# Altium PCB 主板_V1.0.PcbDoc (part 1 of 2) (continued)
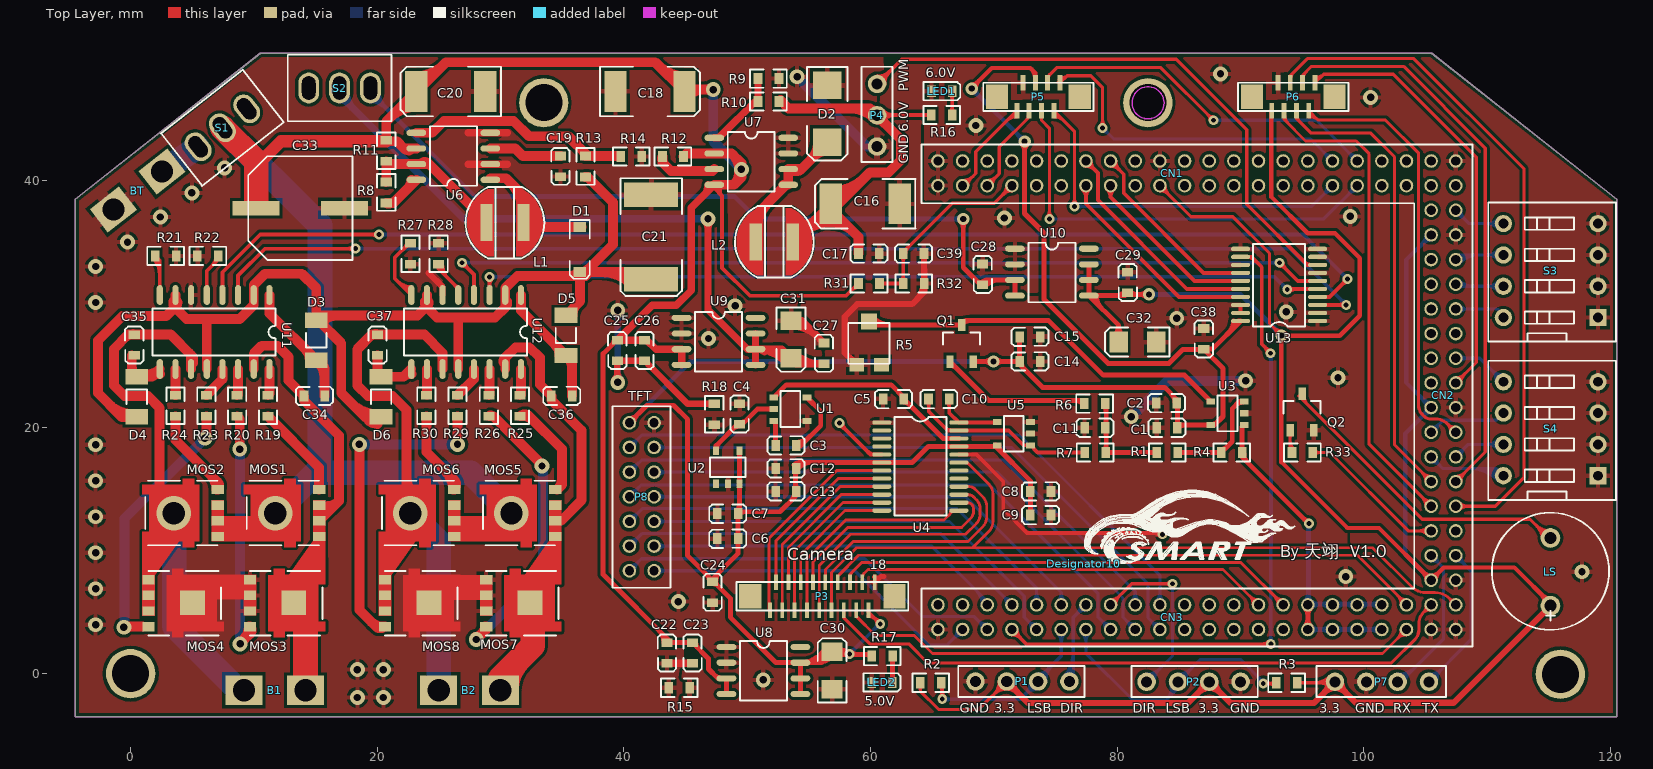
[diagram p0: Top Layer view]
## Nets (pads, with @x,y where several pads share a name; then routed paths per layer and width w, separated by ;. In a path a pad name is that pad's centre, name@x,y a point inside that pad or via, vN(x,y) a via of type N, cw(c..) or ccw(c..) an arc to the next point about the centre after c; other vN are vias at no path point)
3.3V: C29.2 C32.A CN1.19 CN2.7 CN2.21 CN2.35 LS.A P1.2 P2.2 P6.8 P7.4 R2.2 R3.2 U10.5 U10.6 U10.7 | length 246.3
  Top Layer w0.254: R2.2@63.887,-0.995 cw(c63.506,-1.376) 64.044,-1.376 cw(c64.583,-1.376) R2.2@64.202,-0.995 ; R2.2@64.044,-0.737 64.044,-1.423 65.518,-2.896 68.794,-2.896 P1.2@71.055,-0.636 ; P1.2@70.432,-0.636 cw(c68.928,-0.636) 69.991,-1.699 cw(c71.055,-2.763) P1.2@71.055,-1.259 ; P1.2@70.686,-0.636 cw(c69.795,-0.636) 70.425,-1.266 cw(c71.055,-1.896) P1.2@71.055,-1.005 ; CN1.19@83.472,39.156 cw(c83.472,38.135) 84.194,38.857 cw(c84.916,39.579) CN1.19@83.895,39.579 ; CN1.19@83.472,39.579 85.993,37.058 89.394,37.058 92.365,34.086 92.365,28.396 v3(93.331,27.431) ; v3@92.958,27.431 ccw(c92.057,27.431) 92.694,28.068 ccw(c93.331,28.705) v3@93.331,27.804 ; R3.2@94.601,-0.738 97.598,-0.738 P7.4@97.674,-0.661 ; R3.2@94.758,-0.895 cw(c95.139,-1.276) 95.139,-0.738 cw(c95.139,-0.199) R3.2@94.758,-0.58 ; 95.985,-0.738 ccw(c95.985,1.027) P7.4@97.234,-0.221 ; 96.355,-0.738 cw(c96.355,-1.981) P7.4@97.234,-1.102 ; 96.599,-0.738 ccw(c96.599,0.414) P7.4@97.413,-0.4
  Top Layer w0.356: P6.8@92.546,45.661 92.515,45.631 92.515,38.66 95.464,35.712 97.674,35.712 99.681,33.705 99.681,29.031 98.055,27.406 v3@93.432,27.406 ; v3@93.103,27.203 cw(c92.553,26.653) 93.331,26.653 cw(c94.108,26.653) 93.558,27.203 cw(c94.047,26.715) 94.047,27.406 ; v3(93.331,27.431) 93.331,17.159 98.68,11.81 101.241,11.81 CN2.35@105.472,7.579 106.503,8.61 112.228,8.61 LS.A@115.245,5.593 ; v3@93.558,27.659 ccw(c94.17,28.27) 94.17,27.406 ; CN2.35@105.1,7.579 ccw(c104.201,7.579) 104.836,8.214 ccw(c105.472,8.85) 105.472,7.951 ccw(c105.472,8.85) 106.107,8.214 ccw(c106.743,7.579) CN2.35@105.844,7.579 ; 114.426,6.412 cw(c113.236,5.495) LS.A@114.656,5.004 ; 114.605,6.299 ccw(c115.667,7.361) LS.A@115.667,5.859
  Top Layer w0.4: U10.7@77.715,33.197 U10.6@77.715,31.927 U10.5@77.715,30.657 ; U10.5@77.915,30.657 ccw(c78.398,30.657) 78.057,30.316 ; U10.5@78.315,30.657 ccw(c79.764,30.657) 78.739,29.633 ; C32.A@79.751,27.404 ccw(c78.974,28.25) 80.123,28.25 ; 79.845,30.657 ccw(c79.845,31.8) C29.2@80.653,30.992 ; C32.A@80.123,26.822 80.123,28.25 ; C32.A@80.494,27.404 cw(c81.271,28.25) 80.123,28.25 ; C29.2@81.065,30.992 ccw(c81.628,31.554) 81.628,30.759 ; v3@82.374,30.547 ccw(c81.862,30.034) 81.862,30.759 ccw(c81.862,31.483) v3@82.374,30.971 ; v3(82.586,30.759) 80.986,30.759 C29.2@80.859,30.886 80.631,30.657 U10.5@77.715,30.657 ; U10.5@77.715,30.657 80.123,28.25
  Top Layer w0.5: P1.2@71.055,-1.136 cw(c71.055,-2.343) 71.908,-1.489 cw(c72.762,-0.636) P1.2@71.555,-0.636 ; P1.2@71.055,-0.636 72.807,-2.388 85.75,-2.388 P2.2@87.478,-0.661 89.205,-2.388 95.947,-2.388 P7.4@97.598,-0.738 ; P2.2@86.978,-0.661 cw(c85.77,-0.661) 86.624,-1.515 cw(c87.478,-2.368) 87.478,-1.161 cw(c87.478,-2.368) 88.331,-1.515 cw(c89.185,-0.661) P2.2@87.978,-0.661 ; P7.4@97.174,-0.661 cw(c95.967,-0.661) 96.82,-1.515 cw(c97.674,-2.368) 97.674,-1.161 cw(c97.674,-2.368) 98.528,-1.515 cw(c99.381,-0.661) P7.4@98.174,-0.661 ; P7.4@97.674,-0.661 99.376,-2.363 107.289,-2.363 LS.A@115.245,5.593
  Bottom Layer w0.356: CN2.35@105.1,7.579 ccw(c104.201,7.579) 104.836,8.214 ccw(c105.472,8.85) CN2.35@105.472,7.951 ; CN2.7@105.1,35.579 cw(c104.201,35.579) 104.836,34.944 cw(c105.472,34.308) CN2.7@105.472,35.207 ; CN2.35@105.472,7.579 103.364,9.687 103.364,19.471 CN2.21@105.472,21.579 103.44,23.611 103.44,33.547 CN2.7@105.472,35.579 ; CN2.21@105.472,21.207 ccw(c105.472,20.308) 104.836,20.944 ccw(c104.201,21.579) 105.1,21.579 ccw(c104.201,21.579) 104.836,22.214 ccw(c105.472,22.85) CN2.21@105.472,21.951
  Bottom Layer w0.4: v3(82.586,30.759) 90.003,30.759 v3(93.331,27.431) ; v3@82.799,30.547 cw(c83.311,30.034) 83.311,30.759 cw(c83.311,31.483) v3@82.799,30.971 ; v3@93.031,27.431 ccw(c92.306,27.431) 92.819,27.943 ccw(c93.331,28.456) v3@93.331,27.731
5.00V: C28.2 S2.3 U10.3 U10.4 | length 70.4
  Top Layer w0.4: v3@67.312,36.668 cw(c66.8,36.156) 67.524,36.156 cw(c68.248,36.156) v3@67.736,36.668 ; v3(67.524,36.88) 67.524,32.943 69.01,31.457 69.48,31.927 ; 68.61,31.857 ccw(c68.999,32.246) C28.2@68.999,31.696 ; C28.2@69.022,31.723 cw(c69.516,31.229) 69.516,31.927 ; C28.2@69.305,31.44 cw(c70.481,30.264) 70.481,31.927 ; C28.2@69.348,31.56 cw(c69.803,31.604) 69.48,31.927 ; U10.4@71.715,30.657 U10.3@71.715,31.927 69.48,31.927
  Bottom Layer w0.4: S2.3@19.315,47.523 19.315,47.269 27.875,38.709 48.957,38.709 50.786,36.88 v3(67.524,36.88) ; S2.3@19.442,46.448 cw(c19.442,44.773) 20.626,45.957 ; S2.3@20.092,47.098 ccw(c21.555,47.098) 20.52,46.063 ; v3@67.312,36.668 ccw(c66.8,36.156) 66.8,36.88 ccw(c66.8,37.604) v3@67.312,37.092
5.0V: C1.1 C2.1 C6.1 C7.1 C8.1 C9.1 C12.2 C13.2 C14.1 C15.1 C24.2 C30.A C38.2 P3.17 P5.5 P8.1 Q1.2 R17.2 U2.3 U2.4 U3.5 U4.6 U4.21 U5.5 U8.5 U8.6 U8.7 U13.20 | length 244.9
  Top Layer w0.3: P3.17@59.844,4.987 P3.17@59.844,5.148
  Top Layer w0.305: P3.17@59.844,4.675 cw(c59.844,3.924) 60.376,4.455 ; P3.17@59.844,4.98 cw(c59.844,4.964) P3.17@59.856,4.976 ; P3.17@59.844,4.987 v2(60.793,4.038) ; v2@60.546,4.038 ccw(c59.948,4.038) 60.371,4.461 ccw(c60.793,4.883) v2@60.793,4.285
  Top Layer w0.356: v3@68.185,47.472 69.836,49.123 72.96,49.123 73.37,48.712 P5.5@73.37,47.911 ; v3@68.21,47.769 ccw(c68.21,48.424) 68.673,47.961 ; v3@68.532,47.446 cw(c69.433,47.446) 68.796,48.083 ; 73.066,49.017 cw(c72.386,48.336) P5.5@73.348,48.336
  Top Layer w0.4: P8.1@40.448,20.345 41.87,21.767 44.029,21.767 45.172,20.624 45.172,9.575 C24.2@47.128,7.619 ; P8.1@40.448,20.695 ccw(c40.448,21.54) 41.045,20.942 ccw(c41.643,20.345) P8.1@40.798,20.345 ; 46.706,8.042 cw(c46.105,7.441) C24.2@46.954,7.441 ; C24.2@47.304,7.291 cw(c47.304,6.925) C24.2@47.563,7.184 ; C24.2@47.559,7.188 cw(c47.813,7.441) 47.454,7.441 cw(c48.671,7.441) 47.811,8.302 ; C6.1@49.156,10.741 cw(c48.9,10.485) 49.262,10.485 cw(c49.624,10.485) C6.1@49.368,10.741 ; C6.1@49.156,11.153 ccw(c48.9,11.409) 49.262,11.409 ccw(c49.624,11.409) C6.1@49.368,11.153 ; C7.1@49.156,12.773 cw(c48.9,12.517) 49.262,12.517 cw(c49.624,12.517) C7.1@49.368,12.773 ; C7.1@49.156,13.185 ccw(c48.605,13.735) 49.384,13.735 ; C7.1@49.368,12.973 cw(c49.75,12.59) 49.75,13.131 ; U2.4@49.384,18.092 U2.3@49.384,15.392 49.384,13.101 C7.1@49.262,12.979 ; 53.567,14.033 ccw(c52.918,14.682) C13.2@53.836,14.682 ; C12.2@53.809,16.921 cw(c54.289,16.442) 54.289,17.12 ; 53.935,15.367 ccw(c54.471,15.367) C13.2@54.092,14.988 ; 53.935,16.06 cw(c54.471,16.06) C12.2@54.092,16.439 ; C12.2@53.986,16.895 ccw(c53.986,17.498) 54.413,17.071 ; C12.2@54.092,16.639 cw(c55.255,15.476) 55.255,17.12 ; U8.5@54.322,-1.652 U8.6@54.322,-0.382 U8.7@54.322,0.888 ; U8.7@55.01,0.889 ccw(c55.01,2.793) C30.A@56.665,1.852 ; 55.697,0.889 ccw(c55.697,2.402) C30.A@57.012,1.654 ; 56.094,0.938 cw(c56.794,0.238) C30.A@56.794,1.229 ; C30.A@56.26,1.651 cw(c55.47,1.463) 56.044,0.889 ; C30.A@56.317,2.05 cw(c54.322,3.184) U8.7@54.322,0.888 ; C30.A@57.103,1.884 ccw(c57.912,2.692) v2@57.912,1.549 ; C30.A@57.386,1.39 cw(c57.77,1.005) 57.77,1.549 ; C30.A@57.386,2.166 ccw(c58.877,3.658) 58.877,1.549 ; C30.A@57.592,1.634 ccw(c57.765,2.279) v2@58.18,1.756 ; C30.A@57.699,1.549 ccw(c57.699,2.205) v2@58.163,1.741 ; 57.854,1.89 cw(c57.571,1.411) v2@58.11,1.55 ; 57.944,1.837 ccw(c58.152,2.189) v2@58.254,1.793 ; v2@58.443,1.456 cw(c58.719,1.17) 58.774,1.563 ; v2@58.445,1.741 ccw(c58.91,2.205) 58.91,1.549 ; v2@58.464,1.72 ccw(c58.768,1.948) 58.715,1.572 ; 59.671,1.549 cw(c59.671,1.097) R17.2@59.99,1.416 ; R17.2@60.096,1.549 56.704,1.549 56.044,0.889 ; Q1.2@68.347,25.295 68.376,25.323 v3(69.977,25.323) C14.1@72.096,25.323 ; Q1.2@68.418,25.224 cw(c68.657,24.985) 68.657,25.323 ; v3@69.765,25.111 ccw(c69.253,24.599) 69.253,25.323 ccw(c69.253,26.047) v3@69.765,25.535 ; 69.82,18.42 ccw(c69.82,18.87) U5.5@70.139,18.552 ; v3@70.189,25.111 cw(c70.701,24.599) 70.701,25.323 cw(c70.701,26.047) v3@70.189,25.535 ; U5.5@70.424,18.517 ccw(c71.252,18.517) 70.667,17.931 ; C14.1@71.99,25.217 ccw(c71.734,24.961) 71.734,25.323 ccw(c71.734,25.685) C14.1@71.99,25.429 ; C14.1@71.99,25.529 ccw(c71.734,25.785) 72.096,25.785 ccw(c72.458,25.785) C14.1@72.202,25.529 ; C15.1@71.99,27.113 cw(c71.734,26.857) 72.096,26.857 cw(c72.458,26.857) C15.1@72.202,27.113 ; C15.1@72.096,27.319 C14.1@72.096,25.323 ; C14.1@72.246,25.223 ccw(c72.98,25.223) 72.461,24.704 ; v3@72.291,42.942 cw(c71.778,42.43) 72.503,42.43 cw(c73.227,42.43) v3@72.715,42.942 ; v3(72.503,43.154) 72.503,42.003 72.493,41.994 72.493,37.321 74.077,35.737 74.077,30.352 79.259,25.171 84.212,25.171 85.33,26.289 C38.2@87.031,26.289 ; C9.1@72.857,13.062 ccw(c72.601,13.318) 72.963,13.318 ccw(c73.325,13.318) C9.1@73.069,13.062 ; C8.1@72.857,14.571 cw(c72.601,14.315) 72.963,14.315 cw(c73.325,14.315) C8.1@73.069,14.571 ; C8.1@72.857,14.983 ccw(c72.601,15.239) 72.963,15.239 ccw(c73.325,15.239) C8.1@73.069,14.983 ; C9.1@72.963,12.856 C8.1@72.963,14.777 72.963,15.635 70.178,18.42 64.685,18.42 63.385,17.12 54.462,17.12 53.935,16.594 53.935,14.401 52.665,13.131 49.414,13.131 C7.1@49.262,12.979 ; 84.464,22.607 cw(c83.902,22.045) C2.1@84.697,22.045 ; C2.1@84.741,21.739 cw(c84.389,21.387) 84.887,21.387 ; C1.1@84.781,20.149 ccw(c84.525,20.405) 84.887,20.405 ccw(c85.249,20.405) C1.1@84.993,20.149 ; C1.1@84.887,19.943 84.887,21.905 C2.1@84.847,21.945 84.847,22.224 83.856,23.215 73.95,23.215 72.096,25.069 C14.1@72.096,25.323 ; C1.1@84.993,19.937 cw(c85.547,19.383) 85.547,20.167 ; C1.1@85.11,20.167 U3.5@87.608,20.167 87.895,20.167 88.587,20.859 88.587,24.758 C38.2@87.031,26.314 87.729,26.314 U13.20@90.016,28.6 ; 86.51,26.289 ccw(c86.51,26.735) C38.2@86.825,26.42 ; C38.2@87.237,26.208 cw(c87.494,25.952) 87.494,26.314 cw(c87.494,26.676) C38.2@87.237,26.42 ; C38.2@87.281,26.314 ccw(c87.885,26.314) 87.458,25.887 ; U3.5@87.708,20.217 ccw(c87.708,20.789) 88.113,20.384 ; 89.034,27.619 ccw(c88.053,28.6) U13.20@89.441,28.6 ; 89.717,28.302 ccw(c89.419,28.6) U13.20@89.841,28.6 ; C24.2@47.128,7.619 49.262,9.753 C6.1@49.262,10.947 C7.1@49.262,12.979 ; C24.2@47.128,7.619 48.641,6.106 48.641,4.582 52.334,0.889 U8.7@54.322,0.888 ; U8.7@54.322,0.888 56.044,0.889
  Bottom Layer w0.3: v2(60.793,4.038) v2@60.793,4.089
  Bottom Layer w0.305: v2(58.304,1.599) v2@60.793,4.089 ; v2@58.304,1.847 ccw(c58.304,2.445) 58.727,2.022 ccw(c59.149,1.599) v2@58.552,1.599 ; 60.284,3.579 cw(c60.793,3.07) v2@60.793,3.79 ; 60.406,3.702 ccw(c60.071,4.038) v2@60.546,4.038
  Bottom Layer w0.356: v3@68.21,47.124 cw(c68.21,46.346) 68.76,46.896 cw(c69.31,47.446) v3@68.532,47.446 ; v3(68.21,47.446) v3(72.503,43.154) ; v3@72.18,43.154 ccw(c71.403,43.154) 71.953,43.704 ccw(c72.503,44.254) v3@72.503,43.476
  Bottom Layer w0.4: P8.1@40.448,20.345 45.426,25.323 v3(69.977,25.323) ; P8.1@40.448,20.695 ccw(c40.448,21.54) 41.045,20.942 ccw(c41.643,20.345) P8.1@40.798,20.345 ; v3@69.765,25.111 ccw(c69.253,24.599) 69.253,25.323 ccw(c69.253,26.047) v3@69.765,25.535
5V: C27.2 C31.A S2.2 U9.5 U9.6 U9.7 | length 67.7
  Top Layer w0.6: v1@46.611,36.668 cw(c46.099,36.156) 46.823,36.156 cw(c47.547,36.156) v1@47.035,36.668 ; v1(46.823,36.88) 46.823,29.514 50.023,26.314 U9.6@50.679,26.314 ; U9.5@50.679,25.044 U9.6@50.679,26.314 ; U9.7@50.679,27.584 U9.6@50.679,26.314 ; U9.6@50.679,26.314 cw(c50.679,22.928) C31.A@53.128,25.267 ; U9.6@51.185,26.289 ccw(c51.502,26.472) 51.407,26.119 ; 52.081,26.314 cw(c52.081,24.268) C31.A@53.562,25.681 ; C31.A@53.549,25.471 ccw(c54.335,26.256) C31.A@54.335,25.145 ; C31.A@53.974,25.895 ccw(c55.783,27.705) C27.2@55.783,25.145 ; C27.2@56.221,25.145 53.986,25.145 C31.A@53.554,25.577 52.817,26.314 U9.6@50.679,26.314
  Bottom Layer w0.6: S2.2@16.815,47.523 16.815,47.066 27.001,36.88 v1(46.823,36.88) ; S2.2@16.942,46.548 cw(c16.942,45.604) 17.61,46.271 ; S2.2@17.492,47.098 ccw(c19.203,47.098) 17.993,45.888 ; v1@46.611,36.668 ccw(c46.099,36.156) 46.099,36.88 ccw(c46.099,37.604) v1@46.611,37.092
6.0V: C16.A C17.1 L2.2 P4.2 R10.1 R16.2 | length 55.5
  Top Layer w0.305: P4.2@60.565,45.313 R16.2@64.922,45.313 ; P4.2@60.746,45.08 cw(c61.307,44.519) 61.307,45.313 ; P4.2@60.962,44.865 cw(c62.043,43.783) 62.043,45.313 ; P4.2@60.962,45.71 ccw(c61.921,46.669) 61.921,45.313 ; R16.2@64.782,45.173 ccw(c64.445,44.836) 64.445,45.313 ccw(c64.445,45.79) R16.2@64.782,45.453
  Top Layer w0.8: R10.1@52.692,46.52 53.365,45.847 59.944,45.847 ; L2.2@53.641,34.884 C16.A@56.602,37.845 ; L2.2@53.708,35.326 ccw(c53.708,36.231) 54.348,35.591 ; L2.2@53.708,36.126 ccw(c53.708,38.962) 55.714,36.957 ; 54.377,35.62 cw(c56.729,33.267) 56.729,36.594 cw(c56.729,33.881) 58.648,35.799 ; 55.743,36.986 cw(c56.729,35.999) C16.A@56.729,37.394 ; C16.A@56.729,38.296 ccw(c56.729,40.399) 58.216,38.912 ; C16.A@56.729,39.096 ccw(c56.729,43.131) 59.582,40.278 ; 58.343,45.847 cw(c58.343,43.092) P4.2@60.292,45.04 ; C17.1@59.03,34.061 59.03,35.418 C16.A@56.602,37.845 ; 59.967,45.824 cw(c59.43,45.287) P4.2@60.189,45.287 ; P4.2@60.513,45.636 cw(c60.457,46.36) 59.944,45.847 ; P4.2@60.539,44.937 cw(c60.539,44.179) 61.076,44.715 ; P4.2@60.889,45.287 ccw(c61.82,45.287) 61.162,44.629 ; C16.A@56.602,37.845 57.149,37.845 59.944,40.64 61.468,40.64 62.484,41.656 62.484,43.307 59.944,45.847
7.2V: C18.A C20.A C22.2 C23.2 C25.2 C26.2 C33.A MOS1.D MOS2.S MOS5.D MOS6.S R11.1 R12.2 R31.2 S1.2 U6.6 U7.2 U7.4 U8.3 U8.4 U9.3 U9.4 | length 218.5
  Top Layer w0.305: U7.4@47.331,39.649 47.331,39.369 47.966,38.734 ; U7.4@47.73,39.79 ccw(c48.167,39.381) 47.744,38.957 ; U7.4@47.952,39.582 ccw(c48.397,39.165) 47.966,38.734 ; 58.521,31.14 cw(c59.029,30.632) R31.2@59.029,31.351 ; R31.2@59.029,31.648 58.038,30.657 50.201,30.657 47.966,32.892 47.966,38.734
  Top Layer w0.4: C25.2@39.09,26.734 ccw(c38.774,27.051) C25.2@39.222,27.051 ; C25.2@39.472,27.051 39.407,27.051 38.314,25.958 38.314,8.041 43.846,2.509 C23.2@45.575,2.509 46.863,1.221 46.863,0.381 47.626,-0.382 U8.3@48.322,-0.382 U8.4@48.322,-1.652 ; 42.815,3.54 cw(c41.784,2.509) C22.2@43.242,2.509 ; C22.2@43.498,2.857 cw(c43.149,2.509) C22.2@43.642,2.509 ; C22.2@43.698,2.403 cw(c43.954,2.147) 43.954,2.509 cw(c43.954,2.871) C22.2@43.698,2.615 ; C23.2@45.369,2.403 ccw(c45.113,2.147) 45.113,2.509 ccw(c45.113,2.871) C23.2@45.369,2.615 ; C23.2@45.825,2.509 ccw(c46.428,2.509) 46.002,2.082 ; 47.437,-0.193 ccw(c47.772,0.142) U8.3@47.772,-0.332
  Top Layer w0.6: U9.4@44.679,25.044 U9.3@44.679,26.314 42.606,26.314 41.87,27.051 C26.2@41.681,27.051 C25.2@39.472,27.051 42.29,29.87 44.258,29.87 45.466,31.078 45.466,37.783 U7.4@47.331,39.649 ; 46.478,38.795 ccw(c45.624,39.649) U7.4@46.831,39.649
  Top Layer w0.8: 21.029,45.082 cw(c23.165,42.947) C20.A@23.165,45.967 ; 22.116,42.654 ccw(c22.62,43.158) U6.6@22.62,42.445 ; U6.6@22.647,42.447 cw(c22.552,42.972) 22.175,42.595 ; C20.A@23.165,47.218 20.726,44.779 R11.1@20.726,43.256 20.803,43.18 21.59,43.18 22.175,42.595 ; C20.A@23.165,48.469 ccw(c23.165,51.612) 25.387,49.389 ; U6.6@23.17,42.595 22.175,42.595 ; C20.A@23.19,47.192 25.586,49.588 42.548,49.588 C18.A@44.918,47.218 ; 42.783,49.353 ccw(c44.918,51.489) C18.A@44.918,48.469 ; R12.2@44.831,41.935 45.084,42.189 U7.2@47.331,42.189 48.743,42.189 49.53,41.402 v1(49.53,40.894) 49.53,40.259 48.92,39.649 ; C18.A@44.831,47.131 C18.A@44.918,47.218 ; C18.A@45.273,46.863 cw(c46.499,45.637) 46.499,47.371 ; v1(47.244,47.371) 45.071,47.371 C18.A@44.918,47.218 ; U7.4@47.331,39.649 48.92,39.649 ; 48.829,42.103 cw(c47.621,40.894) v1@49.33,40.894 ; v1@49.332,40.867 cw(c47.894,40.675) 48.92,39.649
  Top Layer w1: 10.586,41.574 12.192,43.18 R11.1@20.726,43.18
  Top Layer w2: S1.2@7.442,44.272 10.171,41.543 C33.A@10.171,38.227
  Bottom Layer w0.8: v1(47.244,47.371) 47.244,43.18 v1(49.53,40.894)
  Bottom Layer w2: S1.2@7.442,44.272 15.353,36.362 15.353,16.56 ; v4(11.722,13.005) 15.023,16.306 27.572,16.306 v4(30.874,13.005)
14.0V: C21.A D1.K D3.A D4.A D5.A D6.A R13.1 U11.2 U11.7 U11.12 U12.2 U12.7 U12.12 | length 117.2
  Top Layer w0.8: -1.762,21.863 ccw(c0.194,23.819) D4.A@0.194,21.053 ; D4.A@0.494,20.828 -0.727,20.828 -2.656,22.758 -2.656,27.025 -0.675,29.006 2.881,29.006 3.632,29.757 ; U11.7@3.482,30.159 ccw(c4.343,30.159) 3.734,29.55 ; U11.7@3.488,30.198 ccw(c4.03,30.05) 3.632,29.652 ; 3.604,29.729 ccw(c3.175,30.159) U11.7@3.782,30.159 ; U11.7@3.632,30.709 3.632,29.757 ; U11.7@3.782,30.173 cw(c3.266,30.123) 3.632,29.757 ; U11.12@6.172,24.709 6.172,28.741 ; D3.A@15.507,28.516 cw(c16.811,27.212) 16.811,29.056 ; D3.A@15.573,28.675 ccw(c16.469,28.675) 15.835,28.041 ; 17.92,21.917 ccw(c20.006,24.003) D6.A@20.006,21.053 ; 19.286,20.552 ccw(c20.006,21.271) D6.A@20.006,20.253 ; D6.A@20.306,20.828 19.009,20.828 17.08,22.758 17.08,26.796 15.201,28.675 D3.A@15.048,28.675 ; U12.7@23.878,30.159 ccw(c24.616,30.159) 24.095,29.637 ; U12.7@23.881,30.188 ccw(c24.408,30.083) 24.028,29.703 ; U12.7@24.028,30.709 24.028,29.833 ; 24.054,29.859 ccw(c23.755,30.159) U12.7@24.178,30.159 ; U12.12@26.568,24.709 26.568,28.817 ; 30.315,29.642 ccw(c29.798,30.159) U12.2@30.528,30.159 ; U12.2@30.526,30.187 cw(c29.999,30.085) 30.378,29.706 ; D5.A@35.302,29.056 36.449,30.202 36.449,32.131 39.116,34.798 39.116,38.227 37.059,40.284 R13.1@36.881,40.284 ; 35.588,32.258 ccw(c35.588,33.299) D1.K@36.324,32.563 ; D5.A@35.827,29.056 cw(c37.095,29.056) 36.198,29.952 ; D1.K@36.524,32.563 ccw(c36.524,33.425) 37.133,32.815 ; 37.135,32.512 36.881,32.258 31.369,32.258 30.378,31.267 U12.2@30.378,30.709 30.378,29.706 ; 37.135,32.562 41.454,32.562 C21.A@42.215,31.801 ; 38.187,32.562 cw(c38.187,29.144) C21.A@40.603,31.561 ; C21.A@40.118,32.562 cw(c40.118,31.075) C21.A@41.169,32.127 ; 3.632,29.652 4.532,28.752 8.85,28.752 9.982,29.884 U11.2@9.982,30.709 9.982,31.535 10.882,32.435 13.879,32.435 15.048,31.267 D3.A@15.048,28.675 ; 3.632,29.652 3.632,29.757 ; D3.A@15.048,28.675 15.429,29.056 23.251,29.056 24.028,29.833 ; 24.028,29.703 24.852,28.879 29.551,28.879 30.378,29.706 ; 24.028,29.703 24.028,29.833
-2.5V: C5.1 U1.1 U4.22 | length 18.4
  Top Layer w0.4: U1.1@52.157,22.402 53.173,23.418 61.682,23.418 C5.1@62.762,22.339 ; U1.1@52.307,22.402 cw(c52.669,22.402) 52.413,22.658 ; C5.1@62.423,22.677 cw(c62.121,22.375) C5.1@62.548,22.375 ; C5.1@62.571,22.148 62.825,22.148 65.899,19.074 U4.22@67.17,19.074 ; C5.1@62.698,22.025 cw(c62.698,21.422) 63.125,21.848
ADC_1: CN1.5 P5.6 | length 9.4
  Top Layer w0.254: CN1.5@69.472,39.579 70.445,40.552 70.445,42.722 72.87,45.147 P5.6@72.87,45.661 ; CN1.5@69.472,40.002 ccw(c69.472,41.023) 70.194,40.301 ccw(c70.916,39.579) CN1.5@69.895,39.579 ; 72.683,44.96 ccw(c72.406,45.236) P5.6@72.797,45.236
ADC_2: CN1.3 P5.8 | length 11.4
  Top Layer w0.254: CN1.3@67.472,39.579 67.556,39.579 68.54,40.563 68.54,42.331 P5.8@71.87,45.661 ; CN1.3@67.472,39.748 ccw(c67.472,40.36) 67.904,39.927 ; CN1.3@67.472,40.002 ccw(c67.472,41.227) 68.338,40.361 ; CN1.3@67.895,39.579 cw(c68.712,39.579) 68.134,40.157 ; 71.02,44.811 cw(c71.87,43.961) P5.8@71.87,45.163 ; 71.454,45.245 cw(c71.87,44.828) P5.8@71.87,45.417
AGND: C1.2 C2.2 C4.2 C5.2 C6.2 C7.2 C8.2 C9.2 C11.2 C12.1 C13.1 C14.2 C15.2 C39.2 R5.1 R18.1 R32.1 U1.4 U2.2 U3.2 U4.1 U5.2 U5.3 | length 27.6
  Top Layer w0.508: 58.298,25.651 cw(c57.707,25.06) R5.1@58.542,25.06 ; R5.1@58.418,25.53 ccw(c58.838,25.95) R5.1@58.838,25.356 ; R5.1@58.888,25.06 57.912,26.037 57.912,28.956 58.928,29.972 63.373,29.972 64.364,30.963 R32.1@64.364,31.648 C39.2@64.338,34.061 ; 63.785,30.384 ccw(c62.622,31.548) R32.1@64.268,31.548
  Bottom Layer w0.8: v1(81.153,20.828) 84.074,23.749 v1(90.424,23.749)
B20: CN2.29 P6.6 | length 41.7
  Top Layer w0.254: P6.6@93.546,45.661 93.546,44.945 95.286,43.205 99.39,43.205 100.443,42.153 100.443,18.608 CN2.29@105.472,13.579 ; P6.6@93.619,45.236 ccw(c94.497,45.236) 93.876,44.615 ; CN2.29@105.049,13.579 ccw(c104.028,13.579) 104.75,14.301 ccw(c105.472,15.023) CN2.29@105.472,14.002
B21: CN2.30 P6.5 | length 57.4
  Top Layer w0.254: P6.5@94.046,47.911 94.046,48.492 95.439,49.885 104.075,49.885 112.99,40.969 112.99,15.9 110.67,13.579 CN2.30@107.472,13.579 ; P6.5@94.119,48.336 cw(c94.671,48.336) 94.281,48.727 ; CN2.30@107.771,13.28 cw(c108.493,12.558) 108.493,13.579 cw(c108.493,14.6) CN2.30@107.771,13.878
B22: CN2.27 P6.4 | length 39.6
  Top Layer w0.254: P6.4@94.546,45.661 94.546,45.037 95.744,43.84 100.57,43.84 102.5,41.909 102.5,18.551 CN2.27@105.472,15.579 ; P6.4@94.619,45.236 ccw(c95.275,45.236) 94.811,44.772 ; CN2.27@105.049,15.579 ccw(c104.028,15.579) 104.75,16.301 ccw(c105.472,17.023) CN2.27@105.472,16.002
B23: CN2.28 P6.3 | length 48.6
  Top Layer w0.254: P6.3@95.046,47.911 95.046,48.527 95.769,49.25 103.237,49.25 109.866,42.62 109.866,17.973 CN2.28@107.472,15.579 ; P6.3@95.119,48.336 cw(c95.755,48.336) 95.305,48.786 ; CN2.28@107.472,16.002 ccw(c107.472,17.023) 108.194,16.301 ccw(c108.916,15.579) CN2.28@107.895,15.579
B_ADC: C39.1 CN1.7 R31.1 R32.2 | length 20.8
  Top Layer w0.305: R31.1@60.731,31.648 R32.2@62.662,31.648 62.662,33.68 62.662,34.177 66.635,38.15 70.043,38.15 CN1.7@71.472,39.579 ; R31.1@60.871,31.509 cw(c61.208,31.171) 61.208,31.648 cw(c61.208,32.125) R31.1@60.871,31.788 ; R32.2@62.522,31.509 ccw(c62.185,31.171) 62.185,31.648 ccw(c62.185,32.125) R32.2@62.522,31.788 ; R32.2@62.522,31.888 ccw(c62.184,32.226) 62.662,32.226 ; C39.1@62.522,33.822 cw(c62.185,33.484) 62.662,33.484 cw(c63.139,33.484) C39.1@62.802,33.822 ; 62.662,32.225 ccw(c63.139,32.225) R32.2@62.802,31.888 ; C39.1@62.662,34.359 ccw(c62.662,34.799) C39.1@62.973,34.488 ; C39.1@62.86,34.161 cw(c63.374,34.161) 63.01,34.525 ; CN1.7@71.074,39.579 cw(c70.114,39.579) 70.793,38.9 cw(c71.472,38.222) CN1.7@71.472,39.181
C3: CN2.24 P6.2 | length 37.7
  Top Layer w0.254: P6.2@95.493,45.668 cw(c95.503,45.584) P6.2@95.563,45.644 ; P6.2@95.524,45.416 cw(c95.584,44.927) 95.932,45.275 ; P6.2@95.546,45.661 96.3,44.906 ; P6.2@95.555,45.164 cw(c95.664,44.27) 96.3,44.907 ; 104.774,20.991 cw(c105.546,21.761) 104.456,21.761 104.456,42.214 101.763,44.906 96.3,44.906 ; 104.775,20.991 104.909,20.857 ccw(c105.41,21.359) 105.41,20.649 105.864,20.649 cw(c105.864,19.351) 106.782,20.269 ; CN2.24@107.049,19.593 ccw(c106.135,19.623) 106.782,20.269 ; CN2.24@107.458,20.002 cw(c107.428,20.916) 106.782,20.269 ; CN2.24@107.472,19.579 106.782,20.269
C4: CN2.20 P6.1 | length 38.1
  Top Layer w0.254: P6.1@95.959,47.91 ccw(c95.986,48.042) P6.1@96.081,47.947 ; P6.1@96.01,48.159 ccw(c96.099,48.597) 96.416,48.281 ; P6.1@96.046,47.911 96.75,48.615 ; P6.1@96.06,48.408 ccw(c96.212,49.152) 96.75,48.615 ; CN2.20@107.472,23.579 109.129,25.237 109.129,41.884 102.398,48.615 96.75,48.615 ; CN2.20@107.472,24.002 ccw(c107.472,25.023) 108.194,24.301 ccw(c108.916,23.579) CN2.20@107.895,23.579
D4: CN1.36 P5.3 | length 33
  Top Layer w0.254: P5.3@74.37,47.911 74.37,48.425 75.093,49.148 83.552,49.148 v2(87.819,44.881) ; P5.3@74.443,48.336 cw(c74.834,48.336) 74.558,48.613 ; v2@87.546,44.881 ccw(c86.887,44.881) 87.353,45.347 ccw(c87.819,45.813) v2@87.819,45.154
  Bottom Layer w0.254: v2(87.819,44.881) 96.17,44.881 CN1.36@99.472,41.579 ; v2@88.012,44.688 cw(c88.478,44.222) 88.478,44.881 cw(c88.478,45.54) v2@88.012,45.074 ; CN1.36@99.049,41.579 ccw(c98.028,41.579) 98.75,42.301 ccw(c99.472,43.023) CN1.36@99.472,42.002
D5: CN1.35 P5.4 | length 38.8
  Top Layer w0.254: P5.4@73.87,45.661 73.87,44.885 74.509,44.246 v2(74.509,36.88) ; v2@74.316,37.073 ccw(c73.85,37.539) 74.509,37.539 ccw(c75.168,37.539) v2@74.702,37.073
  Bottom Layer w0.254: v2(74.509,36.88) 96.773,36.88 CN1.35@99.472,39.579 ; v2@74.702,36.687 cw(c75.168,36.221) 75.168,36.88 cw(c75.168,37.539) v2@74.702,37.073 ; CN1.35@99.049,39.579 cw(c98.028,39.579) 98.75,38.857 cw(c99.472,38.135) CN1.35@99.472,39.156
D6: CN1.34 P5.1 | length 32.1
  Top Layer w0.254: P5.1@75.174,47.948 ccw(c75.282,48.162) P5.1@75.452,47.992 ; P5.1@75.288,48.175 ccw(c75.449,48.491) 75.699,48.24 ; P5.1@75.37,47.911 75.947,48.488 ; P5.1@75.403,48.401 ccw(c75.615,48.82) 75.947,48.488 ; v2@78.634,44.439 ccw(c78.168,44.905) 78.827,44.905 ccw(c79.486,44.905) v2@79.02,44.439 ; v2(78.827,44.246) 78.827,47.523 77.862,48.488 75.947,48.488
  Bottom Layer w0.254: v2@78.827,43.973 cw(c78.827,43.314) 79.293,43.78 cw(c79.759,44.246) v2@79.1,44.246 ; v2(78.827,44.246) 79.716,43.357 95.694,43.357 CN1.34@97.472,41.579 ; CN1.34@97.049,41.579 ccw(c96.028,41.579) 96.75,42.301 ccw(c97.472,43.023) CN1.34@97.472,42.002
D7: CN1.33 P5.2 | length 35.2
  Top Layer w0.254: P5.2@74.87,45.163 cw(c74.87,43.961) 75.72,44.811 ; P5.2@74.87,45.417 cw(c74.87,44.828) 75.287,45.245 ; P5.2@74.87,45.661 76.541,43.99 v2(76.541,37.896) ; v2@76.348,38.089 ccw(c75.882,38.555) 76.541,38.555 ccw(c77.2,38.555) v2@76.734,38.089
  Bottom Layer w0.254: v2(76.541,37.896) 95.789,37.896 CN1.33@97.472,39.579 ; v2@76.734,37.703 cw(c77.2,37.237) 77.2,37.896 cw(c77.2,38.555) v2@76.734,38.089 ; CN1.33@97.049,39.579 cw(c96.028,39.579) 96.75,38.857 cw(c97.472,38.135) CN1.33@97.472,39.156
DB0: P3.10 U4.16 | length 20.1
  Top Layer w0.229: P3.10@56.344,7.398 56.344,8.453 58.609,10.718 67.905,10.718 69.088,11.901 ccw(c68.264,12.725) 69.429,12.725 69.429,13.589 ccw(c68.388,13.589) 69.125,14.325 68.463,14.986 ccw(c68.019,14.542) 68.019,15.17 U4.16@67.17,15.17
DB1: P3.9 U4.15 | length 21.7
  Top Layer w0.229: P3.9@55.844,5.148 55.844,8.766 58.38,11.302 67.702,11.302 68.592,12.192 ; U4.15@67.17,14.52 67.935,14.52 cw(c67.935,13.96) 68.331,14.356 68.613,14.074 ; U4.15@67.801,14.468 cw(c67.947,14.214) 68.023,14.497 ; 68.592,12.193 ccw(c67.858,12.926) 68.896,12.926 68.896,13.392 ccw(c67.932,13.392) 68.614,14.073
DB2: P3.8 U4.14 | length 18.4
  Top Layer w0.229: P3.8@55.344,7.398 55.344,9.054 58.152,11.861 67.397,11.861 68.109,12.573 ccw(c67.498,13.184) 68.362,13.184 68.362,13.346 ccw(c67.84,13.346) 68.21,13.716 ccw(c67.837,13.344) 67.837,13.87 U4.14@67.17,13.87 ; U4.14@67.801,13.818 cw(c67.903,13.639) 67.957,13.838
DB3: P3.7 U4.13 | length 17.9
  Top Layer w0.229: 54.844,5.783 54.851,5.79 54.851,9.323 57.999,12.471 65.975,12.471 66.724,13.22 U4.13@67.17,13.22 ; 66.358,12.854 ccw(c65.991,13.22) U4.13@66.51,13.22
DB4: P3.6 U4.12 | length 10.3
  Top Layer w0.229: P3.6@54.344,7.398 54.344,9.628 57.936,13.22 U4.12@60.92,13.22
DB5: P3.5 U4.11 | length 13.5
  Top Layer w0.229: P3.5@53.844,5.148 53.844,9.941 57.773,13.87 U4.11@60.92,13.87
DB6: P3.4 U4.10 | length 12.2
  Top Layer w0.229: P3.4@53.344,7.398 53.344,10.229 57.636,14.52 U4.10@60.92,14.52
DB7: P3.3 U4.9 | length 15.3
  Top Layer w0.229: P3.3@52.844,5.148 52.844,10.465 57.549,15.17 U4.9@60.92,15.17
DB8: P3.2 U4.8 | length 14
  Top Layer w0.229: P3.2@52.344,7.398 52.344,10.778 57.386,15.82 U4.8@60.92,15.82
DB9: P3.1 U4.7 | length 17.5
  Top Layer w0.254: P3.1@51.776,5.148 51.776,10.997 57.249,16.47 U4.7@60.92,16.47 ; 51.776,5.843 ccw(c52.064,5.843) P3.1@51.861,5.639
GND: C24.1 C27.1 C28.1 C29.1 C30.K C31.K C32.K C38.1 CN1.1 CN1.2 CN1.20 CN1.40 CN2.2 CN2.8 CN2.22 CN2.36 CN2.39 CN2.40 CN3.1 LED1.K LED2.K P1.1 P2.1 P3.18 P5.7 P6.7 P7.3 P8.2 Q2.2 R15.1 S3.1 S3.2 S3.3 S3.4 S4.1 S4.2 S4.3 S4.4 U4.5 U4.20 U8.1 U8.2 U9.1 U9.2 U10.1 U10.2 U13.1 U13.2 U13.7 U13.9 U13.10 U13.11 U13.13 U13.18 U13.19 | length 37.1
  Top Layer w0.305: U4.20@67.17,17.77 68.59,17.77 70.764,15.596 70.764,13.335 72.695,11.405 83.591,11.405 v2(83.693,11.303) ; 82.85,11.405 cw(c82.85,10.46) v2@83.518,11.128
  Top Layer w0.35: v2@57.48,20.095 cw(c57.48,19.613) 57.821,19.954 ; v2(57.48,20.32) 57.48,20.295 60.005,17.77 U4.5@60.92,17.77 ; v2@57.705,20.32 ccw(c58.31,20.32) 57.882,19.893 ; 59.782,17.993 ccw(c60.32,18.532) U4.5@60.32,17.77 ; U13.19@90.016,29.25 U13.18@90.016,29.9
  Top Layer w0.4: P3.18@60.315,7.832 ccw(c60.543,8.151) 60.82,7.874 ; P3.18@60.344,7.398 60.82,7.874 ; 61.087,7.874 60.82,7.874
  Top Layer w0.6: C31.K@53.554,28.625 54.418,28.625 ; C31.K@53.656,28.176 cw(c53.656,25.252) 55.723,27.319 ; C31.K@53.656,28.776 cw(c53.656,27.3) 54.699,28.344 ; C31.K@54.049,28.408 cw(c54.418,28.204) 54.418,28.625 ; C31.K@54.049,28.842 ccw(c54.418,29.046) 54.418,28.625 ; C27.1@56.221,26.822 54.418,28.625
  other v1: 51.308,-0.508 44.425,5.845 98.552,7.874 117.704,8.258 97.917,24.003 46.863,27.178 84.836,28.829 93.726,29.337 49.022,29.845 70.866,36.957 98.908,37.087 68.555,44.453 100.559,46.739 88.392,48.641
NetB1_1: B1.1 C35.1 MOS2.D MOS4.S U11.11 | length 41.9
  Top Layer w0.8: -0.404,27.296 cw(c0.19,26.702) C35.1@0.19,27.542 ; 2.348,14.655 2.348,21.564 1.408,22.504 -0.497,22.504 -1.361,23.367 -1.361,26.339 -0.208,27.492 0.087,27.492 3.252,27.492 4.902,25.842 ; 4.746,25.999 cw(c4.006,25.259) U11.11@5.052,25.259 ; U11.11@4.902,24.709 4.902,25.842 ; U11.11@5.043,25.207 ccw(c4.474,25.414) 4.902,25.842
  Bottom Layer w2: v4@3.542,12.852 3.542,3.835 8.723,-1.347 B1.1@9.18,-1.347
  other v4: 3.492,13.005